# Altium PCB LOT_Watchnew.PcbDoc
Units mil, origin at the board's own origin, x right, y up, seen from the top; angles counter-clockwise.
Board outline 1575 x 1355 mil, 2 copper layers (Top Layer, Bottom Layer); 31 components, 27 nets, 136 pads, 21 vias.
Unrouted connection lines stored in the file: 1.
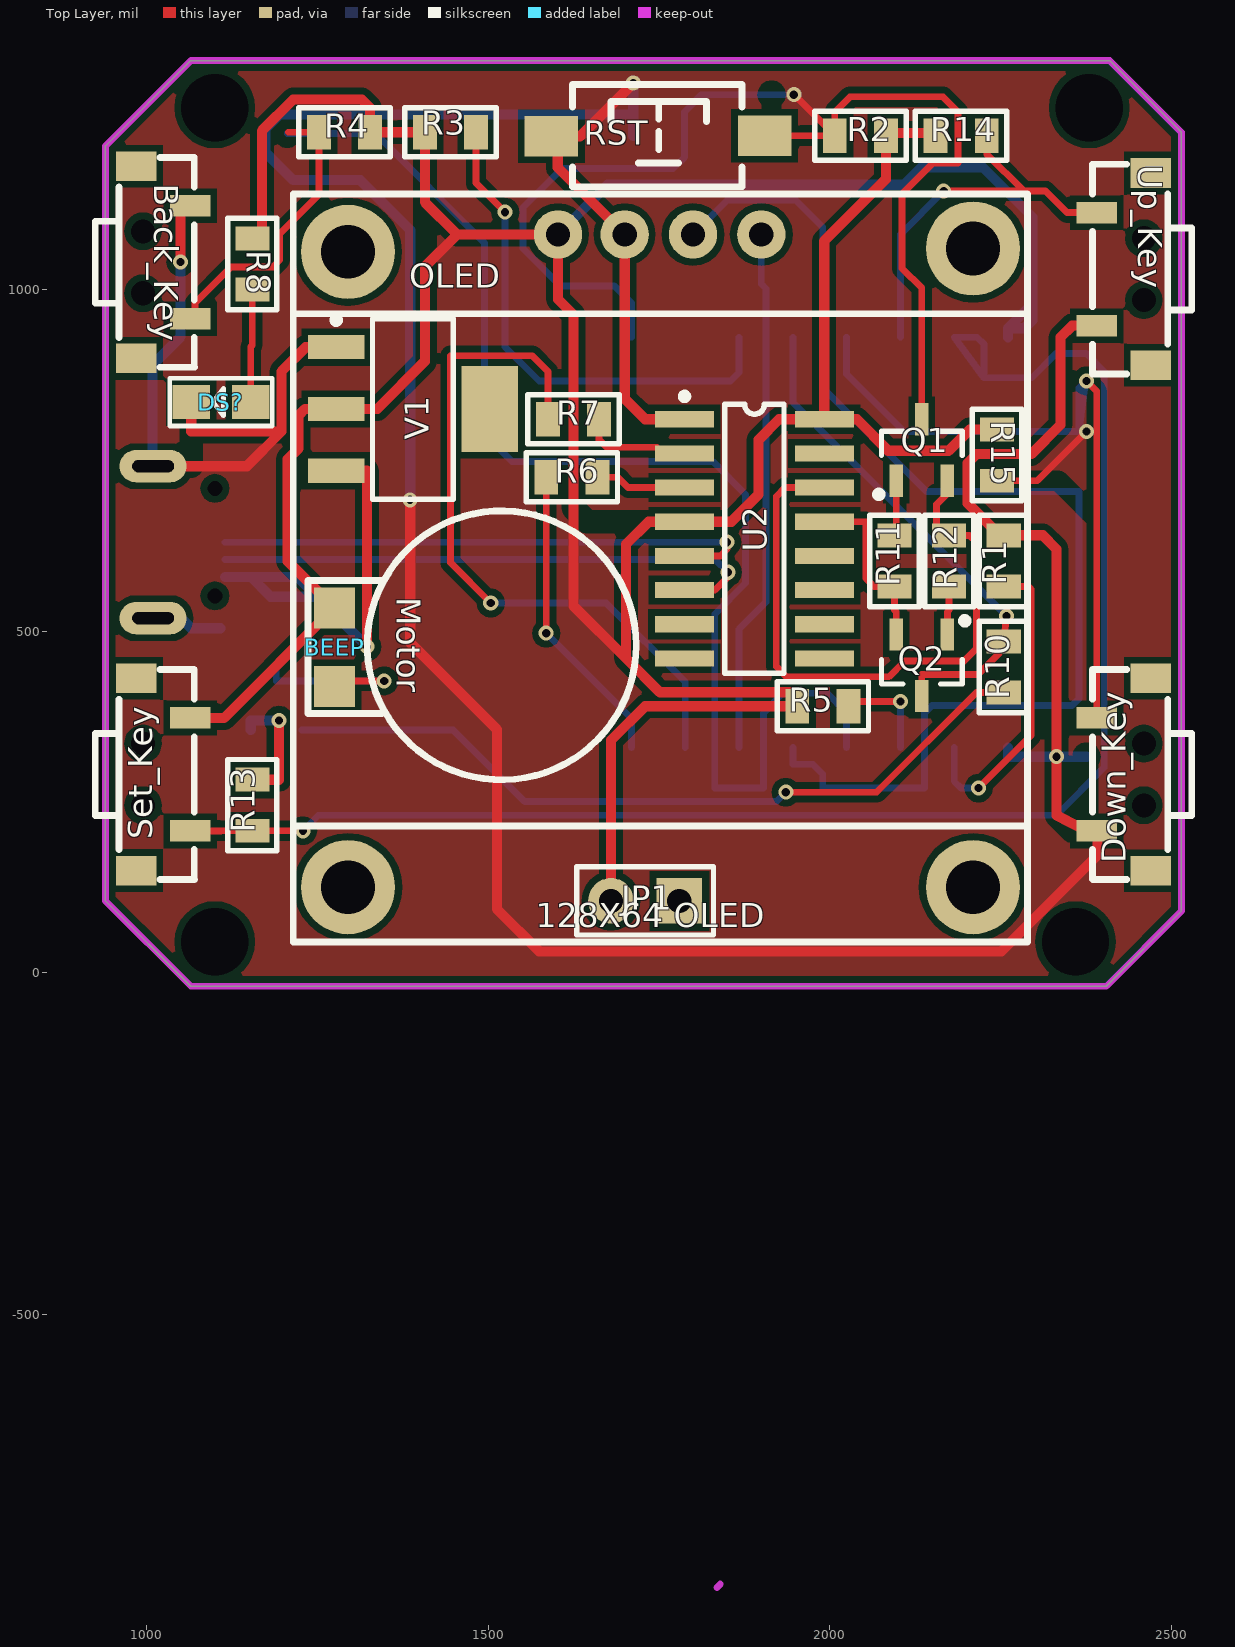
[diagram p0: Top Layer view]
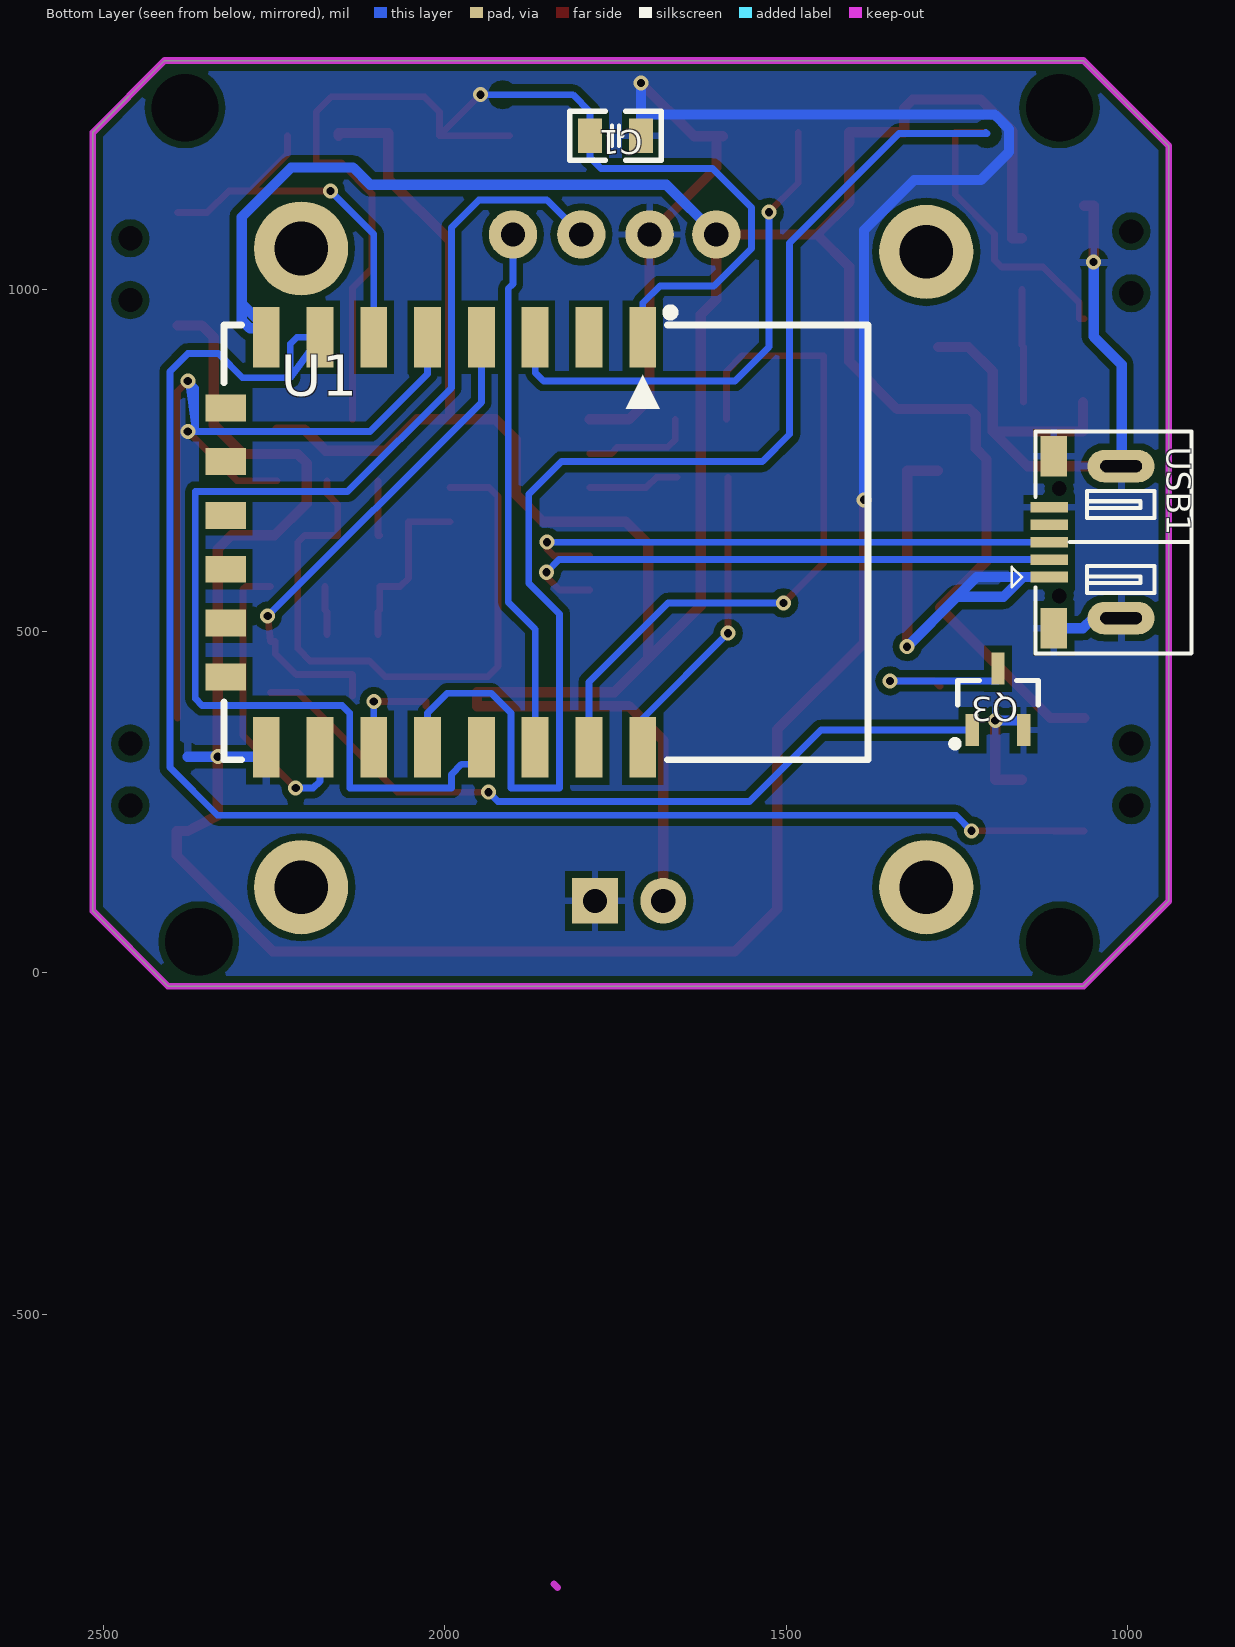
[diagram p1: Bottom Layer view, seen from below]

## Layer stack, top to bottom
Top Solder: solder mask 0.4, Solder Resist, Dk 3.5
Top Layer: signal copper 1.4
Dielectric 1: dielectric 12.6, FR-4, Dk 4.8
Bottom Layer: signal copper 1.4
Bottom Solder: solder mask 0.4, Solder Resist, Dk 3.5

## Board outline
1065,-20 940,105 940,1210 1065,1335 2410,1335 2515,1230 2515,90 2405,-20

## Design rules (kind name [scope] priority, off if disabled: settings)
Clearance [All] p1: gap=10 ignorepadtopadclearanceinfootprint=FALSE except(0: Arc-Hole Track-Hole SMDPad-Hole THPad-Hole Via-Hole Fill-Hole Poly-Hole Region-Hole Text-Hole)
PolygonConnect [All] p1: connectstyle=Relief reliefconductorwidth=10 reliefentries=4 polygonreliefangle="90 Angle" airgapwidth=10
RoutingVias [All] p1: holewidth=12 width=22 viastyle="Through Hole" minholewidth=12 minwidth=22 maxholewidth=12 maxwidth=22
SilkToSilkClearance [All] p1: silktosilkclearance=2
SilkToSolderMaskClearance [IsPad] p1: minsilkscreentomaskgap=2 clearancetoexposedcopper=TRUE
SolderMaskExpansion [All] p1: expansion=4
Width Power [InNetClass('POWER')] p1: maxlimit=20 minlimit=15 preferedwidth=15 minimp=50.000000 maximp=50.000000 favimp=50.000000
Width [All] p2: maxlimit=10 minlimit=10 preferedwidth=10
28 further rules are at their usual default settings.

## Classes and differential pairs
net class Power: GND VCC3.3 VCC5

## Components (designator, comment, footprint, x,y, rotation, side; value= is the part's Value field where it differs from the comment)
Back_Key "3x6x5" "TSW 3*6*4.3-S-W" 995,1039.72 r270 top
BEEP "BEEP" 震动马达 1520,479.02 r270 top
C1 "100nF" "C 0805_L" 1750,1225 r0 bottom
Down_Key "3x6x5" "TSW 3*6*4.3-S-W" 2460,290 r90 top
DS? "LED1" SMDLED 1152.63,834.94 r180 top
JP1 "HDR-1X2" HDR2.54-M-LI-2P 1730,105 r180 top
OLED "JLX 0.96_128X64" 0.96_I2C_OLED 1217.5,1139.49 r0 top
Q1 "SS8050" SOT23-3N 2135,765 r0 top
Q2 "SS8050" SOT23-3N 2135,449.96 r180 top
Q3 "SS8050" SOT23-3N 1190,400 r180 bottom
R1 "10K" "R 0805_L" 2255,602.6 r90 top
R2 "10k" "R 0805_L" 2045,1225 r0 top
R3 "10K" "R 0805_L" 1445,1230 r180 top
R4 "10K" "R 0805_L" 1290,1230 r0 top
R5 "10K" "R 0805_L" 1990,389.96 r0 top
R6 "300" "R 0805_L" 1622.6,725 r180 top
R7 "300" "R 0805_L" 1625,810 r180 top
R8 "680" "R 0805_L" 1155,1037.4 r270 top
R10 "4.7K" "R 0805_L" 2255,447.4 r270 top
R11 "10k" "R 0805_L" 2095,602.6 r90 top
R12 "10k" "R 0805_L" 2175,602.6 r270 top
R13 "10k" "R 0805_L" 1155,245 r90 top
R14 "10k" "R 0805_L" 2192.6,1225 r180 top
R15 "10k" "R 0805_L" 2245,757.4 r90 top
RST "3x6x5" "TSW SMD-3*6*2.5" 1750,1225 r0 top
Set_Key "3x6x5" "TSW 3*6*4.3-S-W" 995,290 r270 top
U1 "ESP8266-12E" ESP_12E 1710,944.76 r270 bottom
U2 "CH340C" SOP16M 1890,634.96 r270 top
Up_Key "3x6x5" "TSW 3*6*4.3-S-W" 2460,1029.72 r90 top
USB1 "USB-5P" USB-MICRO_B 1010,630 r90 bottom
V1 "AMS1117-3V3" SOT223_L 1390,825 r0 top

## Footprints (in the part's own frame and the unit in brackets; to place one, negate y for a bottom-side part, rotate by r counter-clockwise, add the part's x,y. Pads: shape width x height; smd on the part's side, far side on the other; paste and mask are expansions set on the pad)
0.96_I2C_OLED [mm]
  round 3.5 hole 2: 0(1.968,-25.768) 0(1.968,-2.146) 0(25.209,-25.768) 0(25.209,-2.019)
  round 1.8 hole 0.9: 1(9.777,-1.5) 2(12.255,-1.5) 3(14.795,-1.5) 4(17.335,-1.5)
  silkscreen extent -0.06,-27.8 27.24,0, body extent -0.06,-27.8 27.24,0, height 2.7
"C 0805_L" [mil] "无极性贴片电容"
  rect 35x50 smd: 1(-37.4,0) 2(37.4,0)
  silkscreen extent -67,-36 67,36, body extent -39,-24 39,24, height 20
ESP_12E [mm] "ESP-12 Wi-Fi Module by AI-Thinker"
  rect 2.25x1 smd: 1(0.375,0) 2(0.375,-2) 3(0.375,-4) 4(0.375,-6) 5(0.375,-8) 6(0.375,-10) 7(0.375,-12) 8(0.375,-14) 15(15.625,-14) 16(15.625,-12) 17(15.625,-10) 18(15.625,-8) 19(15.625,-6) 20(15.625,-4) 21(15.625,-2) 22(15.625,0)
  rect 1x1.5 smd: 9(3,-15.5) 10(5,-15.5) 11(7,-15.5) 12(9,-15.5) 13(11,-15.5) 14(13,-15.5)
  silkscreen extent -0.7,-15.57 16.08,8.37, body extent 0,-15.49 16,8.51, height 2.75
HDR2.54-M-LI-2P [mm] "排母，2脚"
  rect 1.7x1.7 hole 0.9: 1(-1.27,0)
  round 1.7 hole 0.9: 2(1.27,0)
  silkscreen extent -2.54,-1.27 2.54,1.27, body extent -2.54,-1.27 2.54,1.27, height 8.5
"R 0805_L" [mil] "1/8W贴片电阻"
  rect 35x50 smd: 1(-37.4,0) 2(37.4,0)
  silkscreen extent -67,-36 67,36, body extent -39,-25 39,25, height 20
SMDLED [mm]
  rect 1.4x1.27 smd: 1(0.001,-0.002) 2(2.211,-0.002)
  silkscreen extent -0.8,-0.89 3.01,0.89
SOP16M [mm]
  rect 0.6x2.2 smd: 1(-4.445,-2.6) 2(-3.175,-2.6) 3(-1.905,-2.6) 4(-0.635,-2.6) 5(0.635,-2.6) 6(1.905,-2.6) 7(3.175,-2.6) 8(4.445,-2.6) 9(4.445,2.6) 10(3.175,2.6) 11(1.905,2.6) 12(0.635,2.6) 13(-0.635,2.6) 14(-1.905,2.6) 15(-3.175,2.6) 16(-4.445,2.6)
  silkscreen extent -5.42,-2.72 5,1.1
SOT23-3N [mm] "3x1.3x1mm(长宽高)"
  rect 0.5x1.2 smd: 1(-0.95,-1.143) 2(0.95,-1.143) 3(0,1.143)
  silkscreen extent -1.72,-1.78 1.5,0.7, body extent -1.5,-1.2 1.5,1.2, height 1.05
SOT223_L [mm] "SOT223, 4-Leads, Body 6.5x3.5mm, Pitch 2.3mm, Lead Span 7mm, IPC High Density"
  rect 2.1x0.9 smd: 1(-2.85,2.3) 2(-2.85,0) 3(-2.85,-2.3)
  rect 2.1x3.2 smd: 4(2.85,0)
  silkscreen extent -2.97,-3.35 1.5,3.42, body extent -1.85,-3.35 1.85,3.35, height 1.7
"TSW 3*6*4.3-S-W" [mm] "侧立贴片3*6*4.3"
  rect 1.1x1.5 smd: 0(-3.575,-0.25) 0(3.575,-0.25)
  round 0 hole 0.9: 0(-1.15,0) 0(1.15,0)
  rect 0.8x1.5 smd: 1(2.1,1.75) 2(-2.1,1.75)
  silkscreen extent -3.9,-1.78 3.9,1.91, body extent -3.9,-1.79 3.9,1.91, height 3.51
"TSW SMD-3*6*2.5" [mm] "3*6*2.5mm"
  rect 2x1.5 smd: 1(-3.996,-0.02) 2(3.937,0)
  silkscreen extent -3.21,-1.9 3.09,1.9, body extent -4,-1.88 4,1.62, height 2.59
USB-MICRO_B [mm] "micro型USB ，5.9*8.2*2.5mm"
  round 0 hole 0.55 unplated: 0(-2,2.294) 0(2,2.294)
  rect 0.394x1.4 smd: 1(-1.295,2.667) 2(-0.648,2.667) 3(0,2.667) 4(0.648,2.667) 5(1.295,2.667)
  rect 1.5x1 smd: 5(-3.2,2.5) 5(3.2,2.5)
  oval 1.2x2.5 hole 0.45 slot 1.55 at 90 deg: 5(-2.825,-0.006) 5(2.825,-0.006)
  silkscreen extent -4.14,-2.63 4.11,4.06, body extent -4,-2.72 4,2.88, height 2.8
震动马达 [mil]
  rect 60x60 smd: 1(-55,-245) 2(60,-245)
  silkscreen extent -197,-284 197,197

## Part data
Back_Key Down_Key RST Set_Key Up_Key: library part "TSW 3x6", "3x6轻触开关", BOM名称=3
C1: library part C, "无极性贴片电容"
DS?: library part LED2, "Typical RED, GREEN, YELLOW, AMBER GaAs LED", PackageDocument=Feb-2002, LatestRevisionDate=17-Jul-2002, LatestRevisionNote="Re-released for DXP Platform.", PackageReference=3.2X1.6X1.1, Published=8-Jun-2000, Publisher="Altium Limited"
JP1: library part "Header 2", "2P接插件"
OLED: "0.96寸OLED显示屏"
Q1 Q2 Q3: library part 8050-SMD, "高频放大-NPN型", 属性="40V 1.5A 1W 1"
R1 R2 R3 R4 R5 R6 R7 R8 R10 R11 R12 R13 R14 R15: library part R, "贴片电阻"
U1: "串口 WIFI模块，ESP-12E", BOM名称=W
U2: library part CH340G, "USB2UART"
USB1: "微型USB母座"
V1: library part AMS1117, "三端稳压芯片"

## Free pads (board coordinates)
  round 0 hole 98.43: 0(1100,45) 0(1100,1266) 0(2360,45) 0(2380,1266)

## Via types
v1: diameter 22, hole 12, Top Layer to Bottom Layer, 21 vias

## Nets (pads, with @x,y where several pads share a name; then routed paths per layer and width w, separated by ;. In a path a pad name is that pad's centre, name@x,y a point inside that pad or via, vN(x,y) a via of type N, cw(c..) or ccw(c..) an arc to the next point about the centre after c; other vN are vias at no path point)
Back_key: Back_Key.1 R4.1 U1.18 | length 2317.5
  Top Layer w10: Back_Key.1 1071,957.05 1071,980 1124,1033 1185,1033 1195,1043 1195,1081.4 1252.6,1139 R4.1 1208,1230
  Bottom Layer w10: 1208,1230 1206,1228 1335,1228 1495,1068 1495,788 1535,748 1829,748 1877,700 1877,570 1832,525 1832,270.31 1903,270.31 1903,380 1932,409 1995.96,409 2024.96,380 U1.18
CH340RXD: R6.1 U2.3 | length 133.9
  Top Layer w10: R6.1 1690,725 1705.04,709.96 U2.3
CH340TXD: R7.1 U2.2 | length 163.5
  Top Layer w10: R7.1 1662.4,780 1673.4,769 1746.96,769 1756,759.96 U2.2
D+: U2.5 USB1.3 | length 811.5
  Top Layer w10: U2.5 1839.96,609.96 1850,620 v1(1850,630)
  Bottom Layer w10: USB1.3 v1(1850,630)
D-: U2.6 USB1.2 | length 821.9
  Top Layer w10: U2.6 1831.96,559.96 1851,579 v1(1851,586)
  Bottom Layer w10: USB1.2 1832.5,604.5 v1(1851,586)
Down_key: Down_Key.1 R15.1 U1.5 | length 1254.2
  Top Layer w10: R15.1 2304.03,720 v1(2376,791.97) ; v1(2376,866) 2391.1,850.9 Down_Key.1
  Bottom Layer w10: U1.5 2024.96,876.04 2109.03,791.97 2364.76,791.97 ; v1(2376,791.97) 2364.76,791.97 ; v1(2376,866) v1@2375,866 ; 2364.76,791.97 2364.76,855.76 v1@2375,866 ; 2364.76,791.97 2364.97,793.49 v1@2375,866
DTR: Q2.2 R11.1 U2.13 | length 261.7
  Top Layer w10: U2.13 2053,659.96 2053,577.2 2065,565.2 R11.1 2095,530.6 2097.6,528 Q2.2
GND: Back_Key.2 C1.1 Down_Key.2 DS?.2 JP1.1 OLED.2 Q3.2 R1.2 R13.2 RST.1 U1.15 U2.1 Up_Key.2 USB1.5 V1.1 | length 6053.3
  Top Layer w15: USB1.5@1009.78,741.22 1146.88,741.22 1197.66,792 ; v1(1050,1040) 1050,1122.4 Back_Key.2 ; DS?.2 1065.59,792 1197.66,792 ; R13.2 1194,282.4 v1(1194,369) ; V1.1 1233.21,915.55 1197.66,880 1197.66,792 ; v1(1386,692) 1386,483 1513,356 1513,93 1575,31 2251.65,31 2392,171.35 2392,207.32 Down_Key.2 2376,207.32 2332,230.32 v1(2332,316) 2332,620 2312,640 R1.2 2249,640 2202,687 2202,746 2215,759 2295,759 2338,802 2338,930.05 2355,947.05 Up_Key.2 ; RST.1 RST.1@1602,1224.21 ; v1(1712.6,1302) 1634.81,1224.21 RST.1@1602,1224.21 ; U2.1 1730.04,809.96 1700,840 OLED.2 1602,1178.43 RST.1@1602,1224.21
  Bottom Layer w15: USB1.5@1009.78,518.78 1051,518.78 1065.76,504.02 USB1.5@1108.42,504.02 ; USB1.5@1009.78,741.22 1009,741.22 1009,890 1050,931 v1(1050,1040) ; Q3.2 1152.6,369 v1(1194,369) ; v1(1386,692) 1386,1087 1313,1160 1215,1160 1174,1201 1174,1235 1195,1256 1712.6,1256 ; C1.1 1712.6,1256 ; v1(1712.6,1302) 1712.6,1256 ; U1.15 2261.18,316 v1(2332,316) 2376,316
GPIO0: Q2.3 R10.1 U1.4 | length 756.8
  Top Layer w10: Q2.3 2135,436.34 2217.25,436.34 2248,467.09 2248,484.8 R10.1 v1(2259,522)
  Bottom Layer w10: U1.4 1946.22,834.78 v1(2259,522)
NetBEEP_2: BEEP.2 Q3.3 | length 252.3
  Top Layer w10: BEEP.2 1282.98,427 v1(1348,427)
  Bottom Layer w10: Q3.3 1190,427 v1(1348,427)
NetDS?_1: DS?.1 R8.2 | length 166
  Top Layer w10: DS?.1 1152.6,916 1155,918.4 R8.2
NetQ1_1: Q1.1 R11.2 | length 82.6
  Top Layer w10: R11.2 2097.6,640 Q1.1
NetQ2_1: Q2.1 R12.2 | length 71.3
  Top Layer w10: Q2.1 2172.4,528 2175,530.6 R12.2
NetQ3_1: Q3.1 R10.2 | length 1137.1
  Top Layer w10: v1(1935.85,264) 2069,264 2215,410 R10.2
  Bottom Layer w10: Q3.1 1449,355 1553.69,250.31 1922.17,250.31 v1(1935.85,264)
NetR1_1: R1.1 U1.16 | length 454.1
  Top Layer w10: v1(2218,270) 2295,347 2295,561.2 2291,565.2 R1.1
  Bottom Layer w10: U1.16 2182.44,280 2192.44,270 v1(2218,270)
NetR3_1: R3.1 U1.3 | length 751.5
  Top Layer w10: R3.1 1482.4,1155.6 v1(1525,1113)
  Bottom Layer w10: v1(1525,1113) 1525,916 1575,866 1855,866 1867.48,878.48 U1.3
NetR5_2: R5.2 U1.17 | length 150.7
  Top Layer w10: R5.2 2027.4,397 v1(2103.7,397)
  Bottom Layer w10: U1.17 v1(2103.7,397)
NetR6_2: R6.2 U1.22 | length 447.1
  Top Layer w10: v1(1585.2,496.8) R6.2
  Bottom Layer w10: v1(1585.2,496.8) 1710,372 U1.22
NetR7_2: R7.2 U1.21 | length 1036.9
  Top Layer w10: v1(1504,541) 1445,600 1445,903 1564.6,903 1587.6,880 R7.2
  Bottom Layer w10: v1(1504,541) 1673,541 1788.74,425.26 U1.21
nRST: C1.2 Q1.3 R2.1 RST.2 U1.1 | length 1744.7
  Top Layer w10: RST.2 1915,1225 1956,1225 R2.1 ; v1(1947.59,1285) R2.1 ; Q1.3 2135,1002 2106.1,1030.9 2106.1,1140 2151.1,1185 2188,1185 2188,1260 2166,1282 2029.6,1282 2007.6,1260 R2.1
  Bottom Layer w10: U1.1 1710,980 1685,1005 1606,1005 1551,1060 1551,1120 1608.01,1177.01 1771.01,1177.01 1787.4,1193.4 C1.2 1787.4,1260 1812.4,1285 1915,1285 v1(1947.59,1285)
OLED_SCL: OLED.3 U1.19 | length 1791
  Bottom Layer w10: OLED.3 1850.43,1130.87 1950,1130.87 1990,1090.87 1990,856 2142,704 2365,704 2365,401 2355,391 2150,391 2139,380 2139,270.31 1990,270.31 1990,290 1975,305 1946.22,305 U1.19
OLED_SDA: OLED.4 U1.20 | length 770.1
  Bottom Layer w10: U1.20 1867.48,502.69 1907,542.21 1907,1001 1900,1008 OLED.4
RTS: Q1.2 R12.1 U2.14 | length 945.9
  Top Layer w10: U2.14 1935,709.96 1922,696.96 1922,448 1937,433 2086.66,433 2110,456.34 2197,456.34 2215,474.34 2215,630 2205,640 R12.1 2156.55,640 2156.55,685.53 2172.4,701.38 Q1.2
Set_key: R13.1 Set_Key.1 U1.7 | length 2328.4
  Top Layer w10: Set_Key.1 1109,207.32 1109.27,207.6 R13.1 v1(1229,207.6)
  Bottom Layer w10: v1(1229,207.6) 1251.72,230.31 2332.31,230.31 2402,300 2402,880 2376,906 2331.29,906 2296,870.71 2226,870.71 ; 2226,870.71 U1.7 2216,930 2226,920 2226,870.71
Up_key: R14.1 U1.6 Up_Key.1 | length 580.9
  Top Layer w10: v1(2167,1144) 2284.4,1144 ; R14.1 2230,1198.4 2284.4,1144 ; Up_Key.1 2347.6,1112.4 2316,1144 2284.4,1144
  Bottom Layer w10: U1.6 2103.7,1080.7 v1(2167,1144)
VCC3.3: BEEP.1 JP1.2 OLED.1 R2.2 R3.2 R4.2 R5.1 R8.1 R14.2 R15.2 Set_Key.2 U1.8 U2.4 U2.16 V1.2 | length 5703.3
  Top Layer w15: Set_Key.2 1113.66,372.68 BEEP.1 1207,602.02 1207,751.84 1222.66,767.5 1222.66,815.66 1232,825 V1.2 1338,825 1407.6,894.6 1407.6,1033.04 1455,1080.43 ; R8.1 1169,1074.8 1169,1232 1215,1278 1315,1278 1327.4,1265.6 R4.2 1367,1230 R3.2 1407.6,1127.83 1455,1080.43 ; JP1.2 1680,340 1729.96,389.96 R5.1 1952.6,410.36 1751.64,410.36 1702,460 ; R14.2 2155.2,1228.94 2082.4,1228.94 R2.2 2082.4,1161.4 1992,1071 U2.16@1992,809.96 ; R15.2 2205,794.8 2174.2,764 2086,764 2040.04,809.96 U2.16 U2.16@1992,809.96 ; 1455,1080.43 OLED.1 1602.4,985.6 1625,963 1625,537 1702,460 ; 1702,460 1702,626.96 1735,659.96 U2.4 1855.96,659.96 1896,700 1896,780 1925.96,809.96 U2.16@1992,809.96
  Bottom Layer w15: OLED.1 1675.34,1153.37 2108.97,1153.37 2134,1178.4 2224.6,1178.4 2297,1106 2297,978.82 ; U1.8 U1.8@2261.18,943 ; U1.8@2261.18,943 2285,943 2297,955 2297,978.82 ; U1.8@2261.18,943 2297,978.82
VCC5: USB1.1 V1.3 | length 661.9
  Top Layer w15: V1.3 1323,734.45 v1(1323,477)
  Bottom Layer w15: USB1.1 1153,579 ; v1(1323,477) 1250,550 ; 1153,579 1221,579 1250,550 ; 1153,579 1182,550 1250,550
pads on no net: Back_Key.0 Down_Key.0 OLED.0 Set_Key.0 U1.2 U1.9 U1.10 U1.11 U1.12 U1.13 U1.14 U2.7 U2.8 U2.9 U2.10 U2.11 U2.12 U2.15 Up_Key.0 USB1.0 USB1.4 V1.4

## Polygon pours and split planes (outlines as drawn)
no net on Top Layer "Top Layer-No Net" (solid, pour order 6): 1070,1335 2410,1335 2410,1330 2515,1225 2515,90 2405,-20 1065,-20 940,105 940,1210
no net on Top Layer "Top Layer-No Net 1" (solid, pour order 4): 1065,1335
GND on Bottom Layer "Bottom Layer-GND" (solid, pour order 8): 2407.5,1335 2512.5,1230 2515,1230 2515,90 2405,-20 1065,-20 940,105 940,1210 1065,1335

## Keep-outs
Keep-Out Layer:
  rectangle: 2730,-315 2735,-310
  lines w10: 1835,-900 1840,-895 ; 940,105 940,1210 ; 940,105 1065,-20 ; 940,105 940,1210 ; 940,105 1065,-20 ; 940,1210 1065,1335 ; 940,1210 1065,1335 ; 1065,-20 2405,-20 ; 1065,-20 1130,-20 2405,-20 ; 1065,1335 2410,1335 ; 1065,1335 2410,1335 ; 2405,-20 2515,90 ; 2405,-20 2515,90 ; 2410,1335 2515,1230 ; 2410,1335 2515,1230 ; 2515,90 2515,1230 ; 2515,90 2515,1230

## Dimensions
940,1210 to 2515,1230 on Top Overlay
1065,1335 to 1065,-20 on Top Overlay

## Text inside footprints (layer, text, board x,y; h text height)
BEEP: Top Overlay "Motor" at 1355,549.05 h60 r270
OLED: Top Overlay "128X64 OLED" at 1570,55 h60
U1: Mechanical 13 "ANTENNA AREA" at 1400,939.76 h10 r90; Mechanical 13 "CUTOUT POLYGON" at 1420,939.76 h10 r90